# Altium PCB NILINET_POWER_PIR.PcbDoc
Units mm, origin at the board's own origin, x right, y up, seen from the top; angles counter-clockwise.
Board outline 53.5 x 56.02 mm, 2 copper layers (Top Layer, Bottom Layer); 49 components, 35 nets, 155 pads, 174 vias.
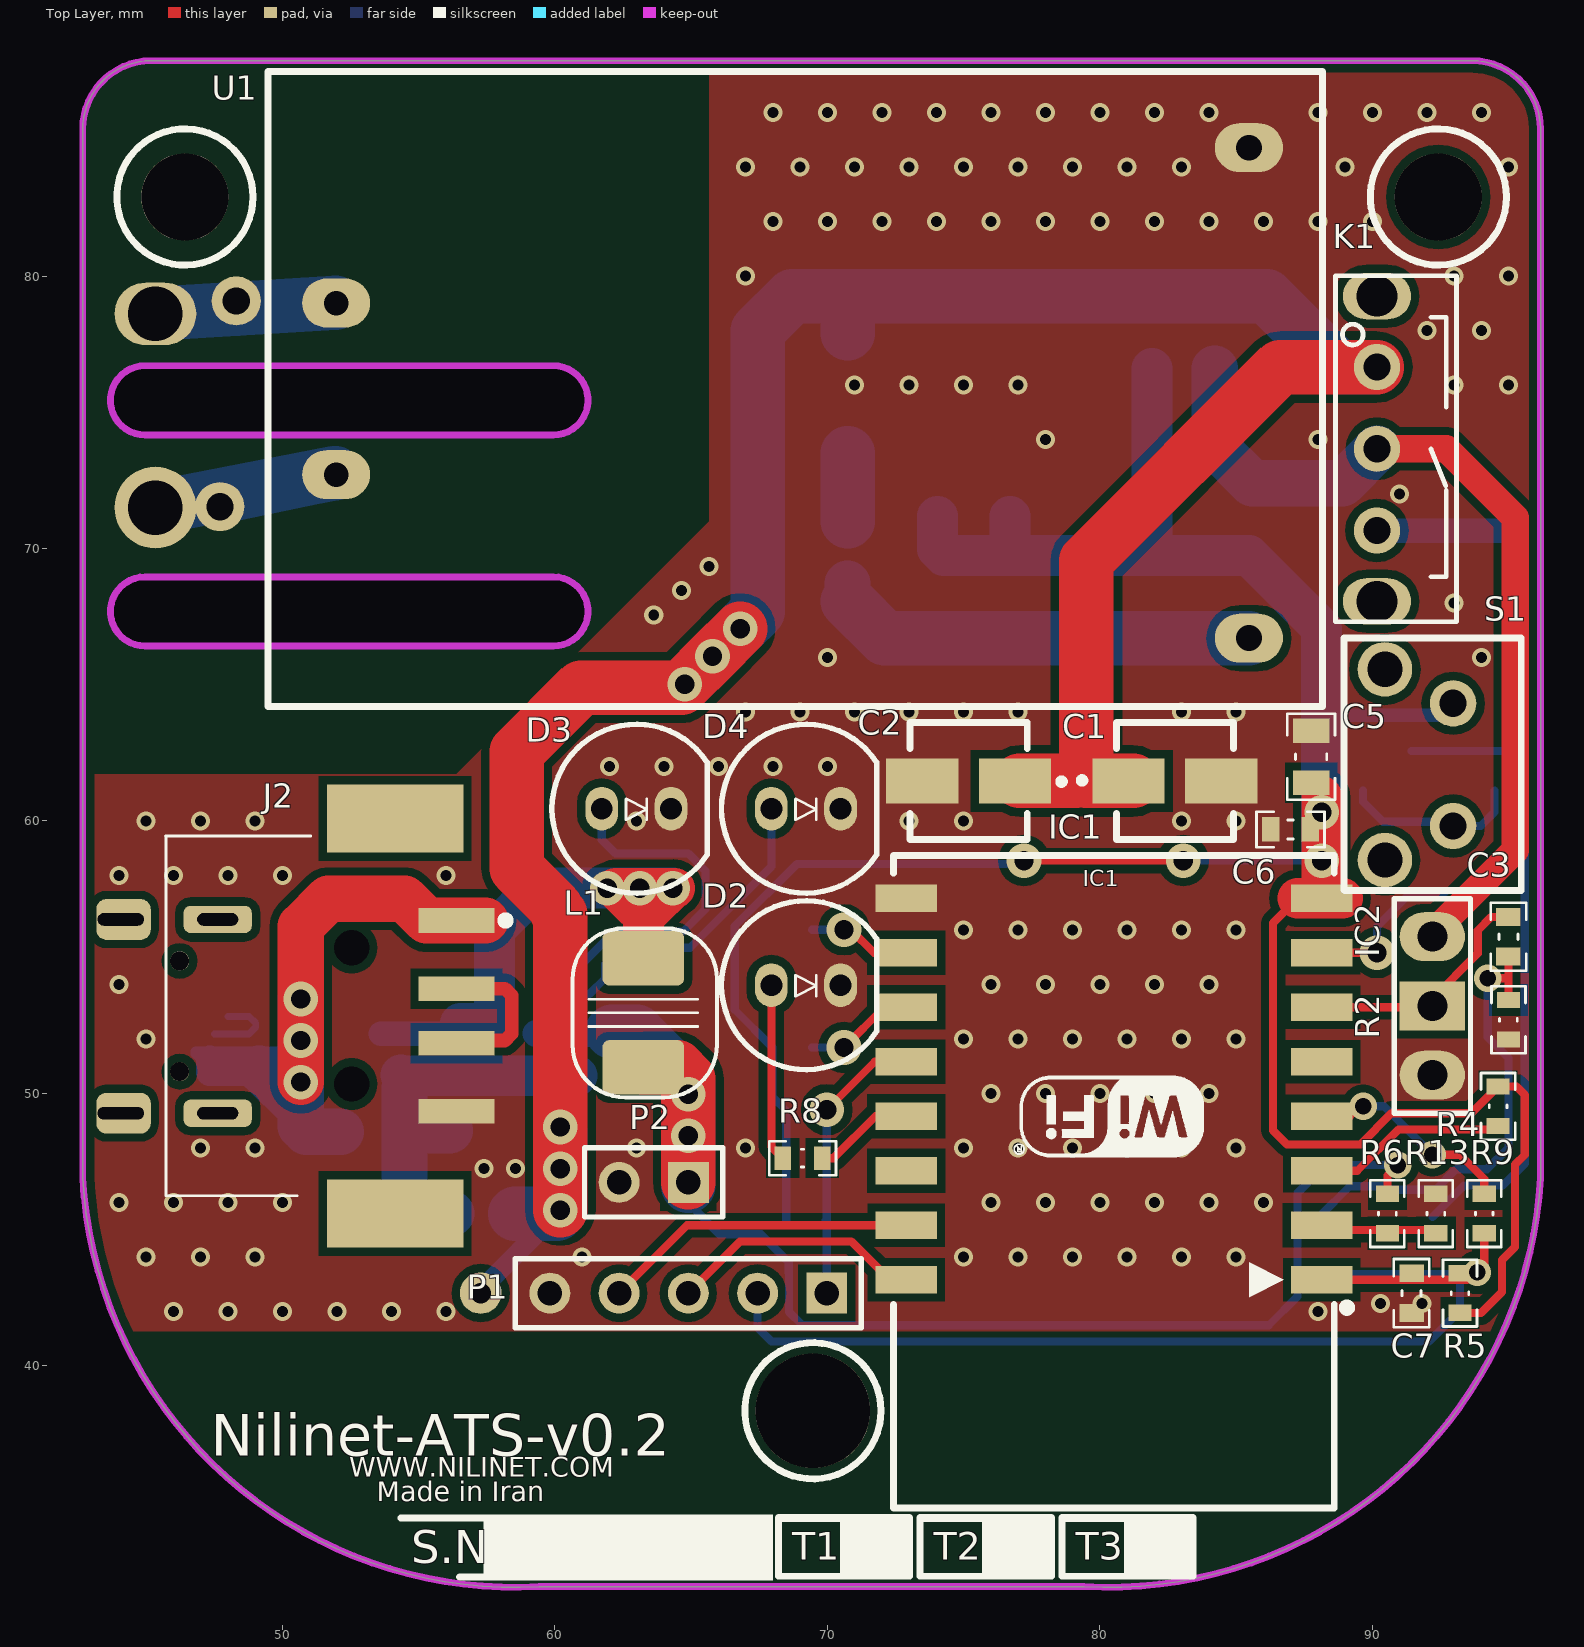
[diagram p0: Top Layer view]
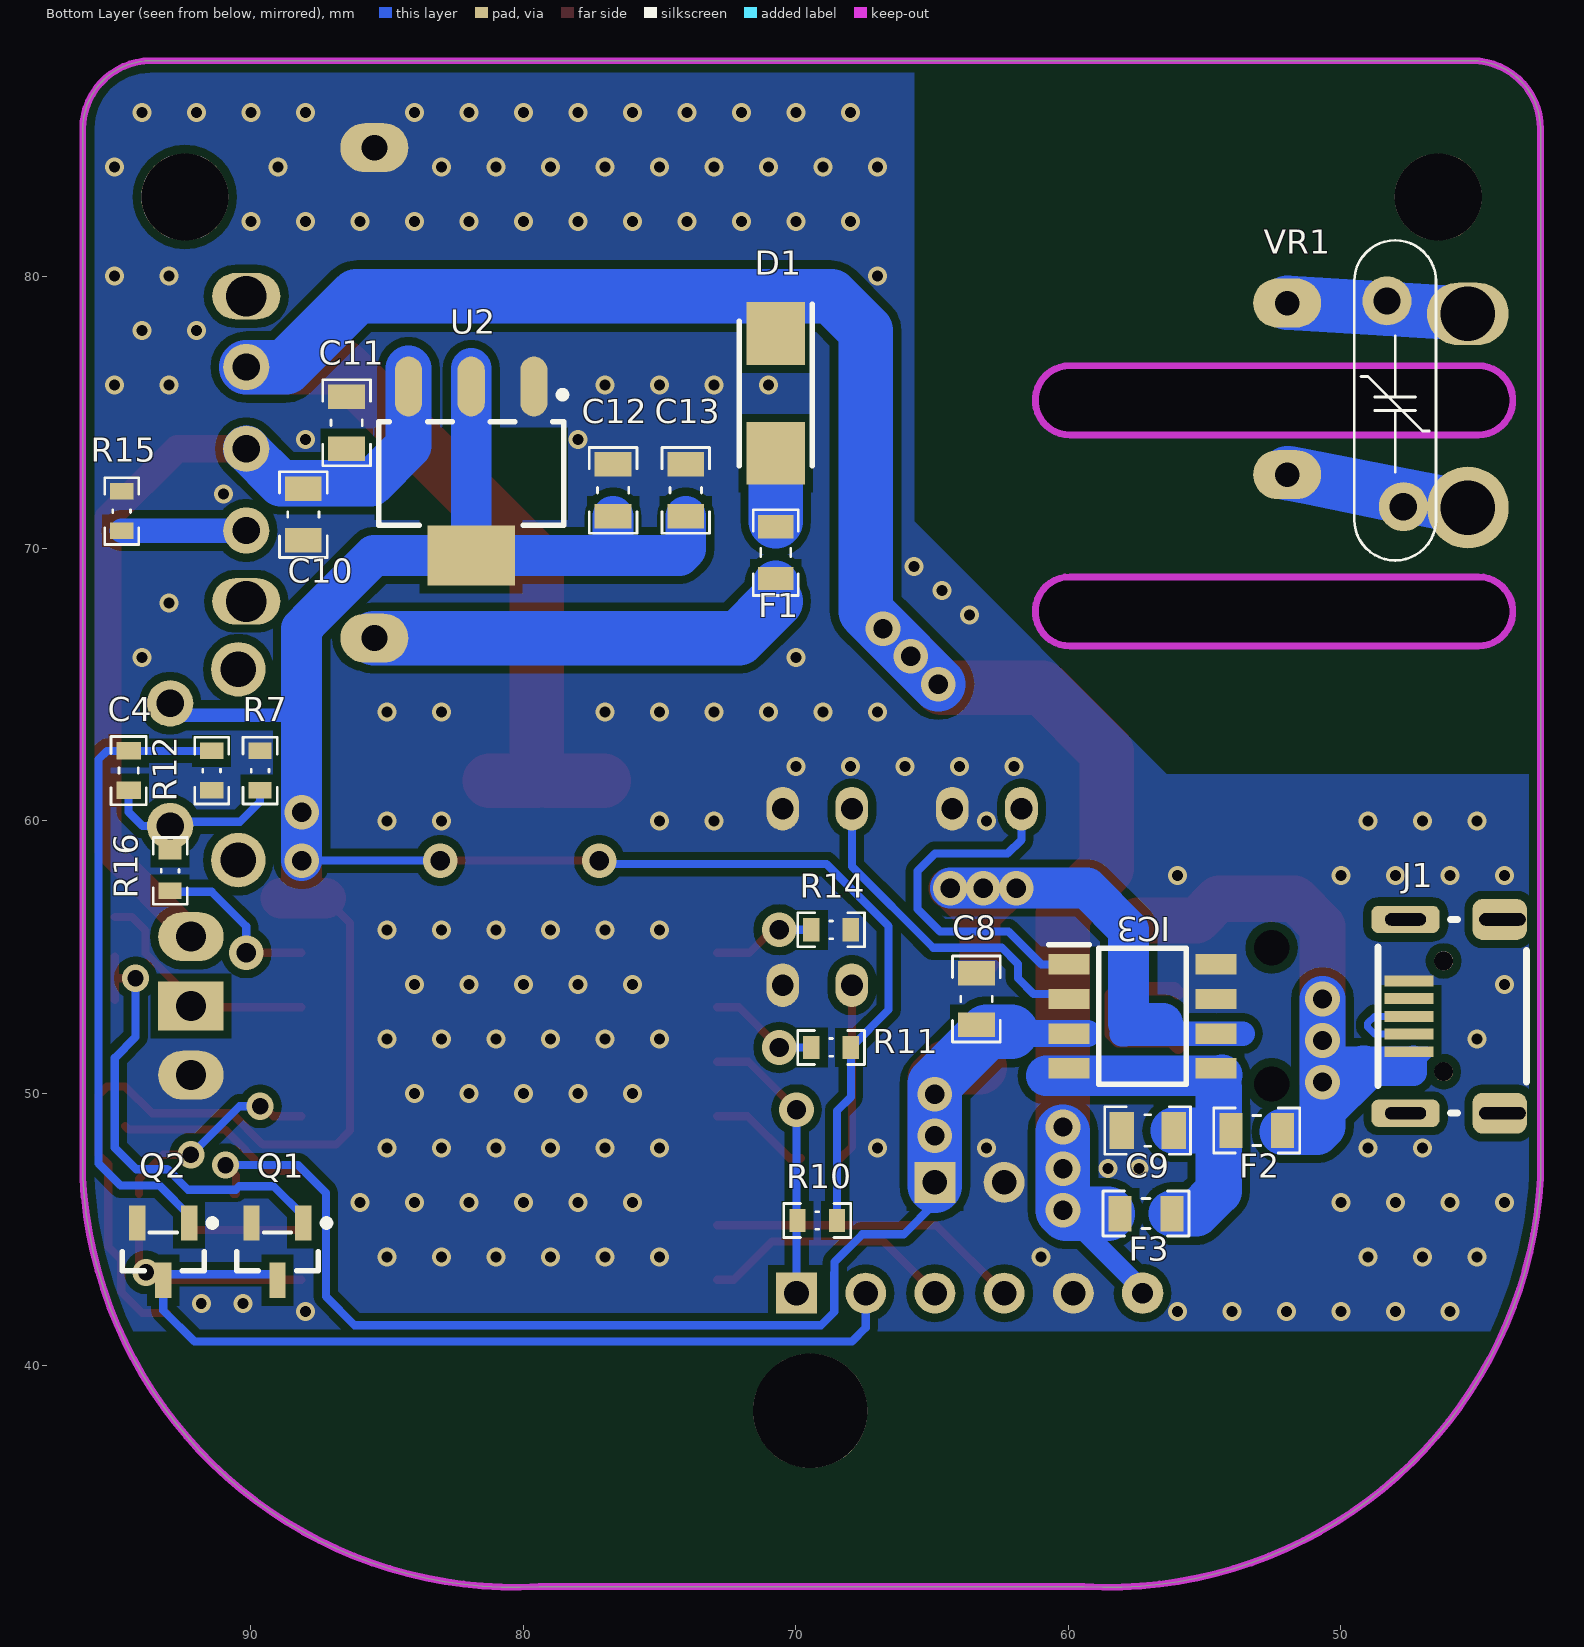
[diagram p1: Bottom Layer view, seen from below]
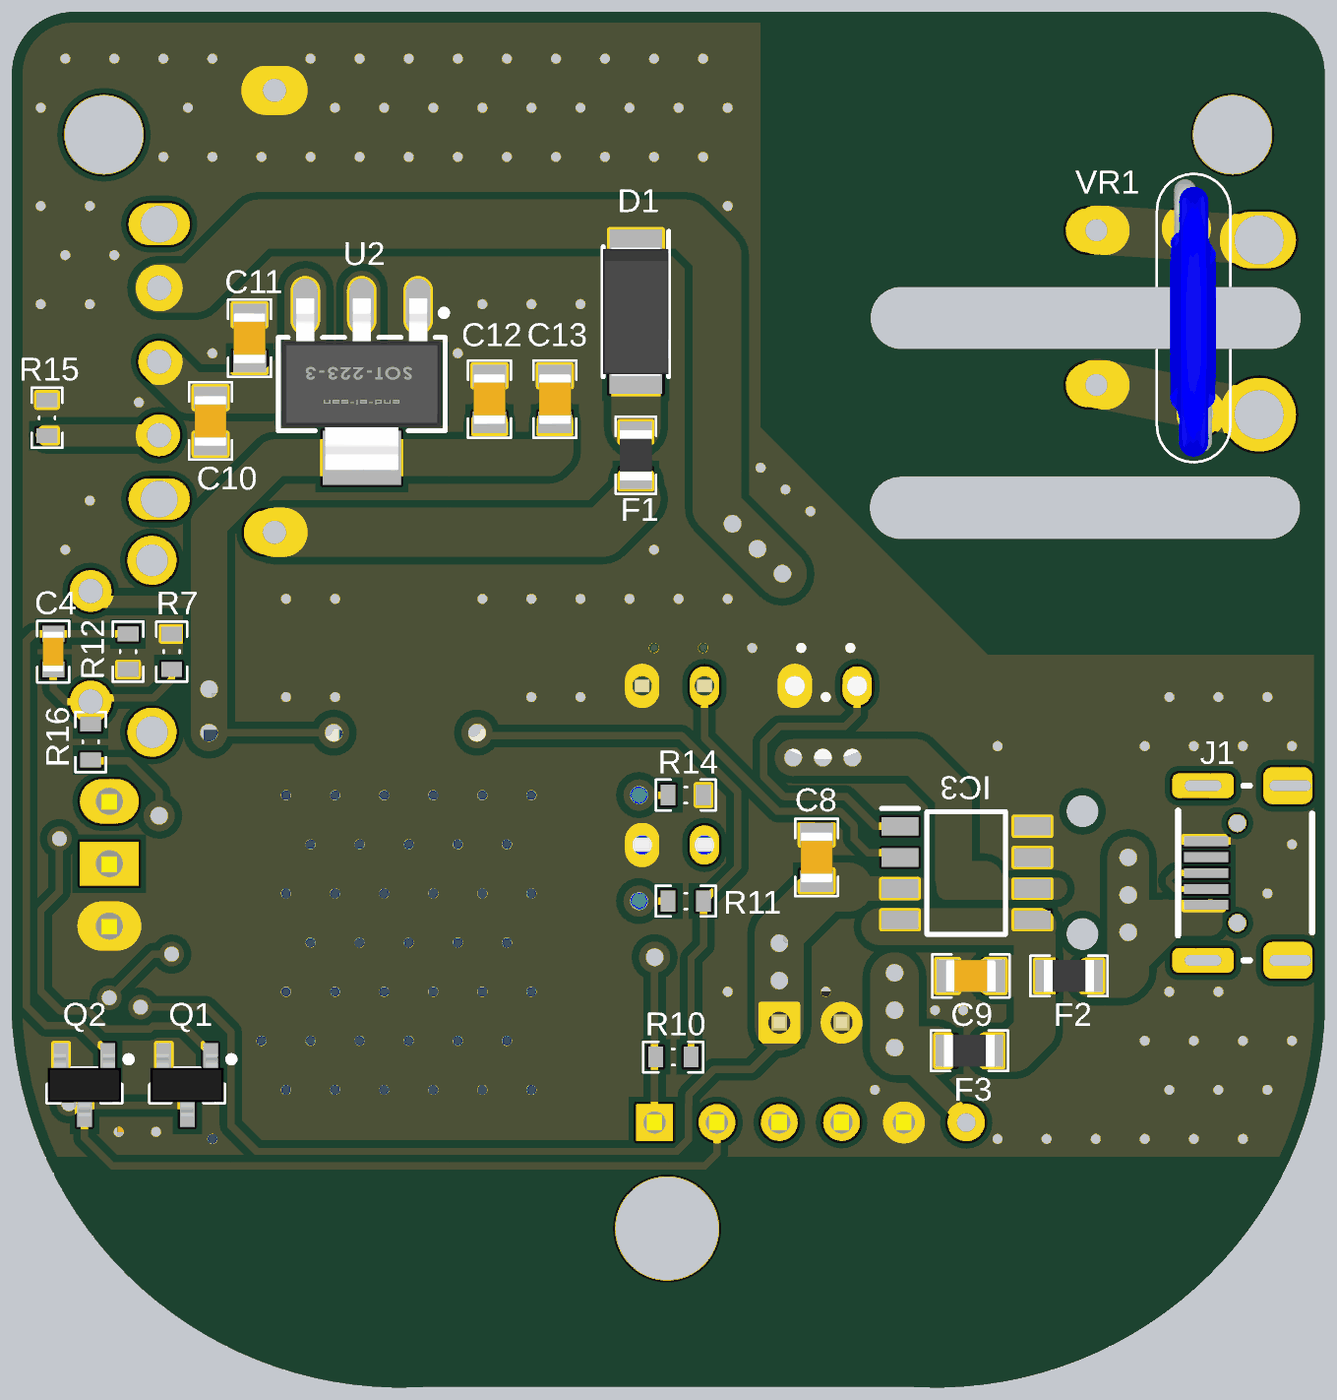
[diagram p2: 3D render of the assembled board from below, using the file's embedded part models]

## Layer stack, top to bottom
Top Solder: solder mask 0.0102, Solder Resist, Dk 3.5
Top Layer: signal copper 0.0356
Dielectric 1: dielectric 0.32, FR-4, Dk 4.8
Bottom Layer: signal copper 0.0356
Bottom Solder: solder mask 0.0102, Solder Resist, Dk 3.5

## Board outline
42.672,46.901 42.672,85.401 cw(c45.172,85.401) 45.172,87.901 93.672,87.901 cw(c93.672,85.401) 96.172,85.401 96.172,46.901 cw(c80.297,47.776) 79.422,31.901 59.422,31.901 cw(c58.547,47.776)
cut-out: 44.945,66.432 cw(c44.939,67.702) 44.945,68.972 59.931,68.972 cw(c59.937,67.702) 59.931,66.432
cut-out: 44.916,74.168 cw(c44.91,75.438) 44.916,76.708 59.902,76.708 cw(c59.908,75.438) 59.902,74.168
cut-out: 44.916,74.168 cw(c44.91,75.438) 44.916,76.708 59.902,76.708 cw(c59.908,75.438) 59.902,74.168
cut-out: 44.945,66.432 cw(c44.939,67.702) 44.945,68.972 59.931,68.972 cw(c59.937,67.702) 59.931,66.432

## Design rules (kind name [scope] priority, off if disabled: settings)
Clearance [All] p1: gap=0.254 ignorepadtopadclearanceinfootprint=FALSE except(0: Arc-Hole Track-Hole SMDPad-Hole THPad-Hole Via-Hole Fill-Hole Poly-Hole Region-Hole Text-Hole; 0.2: Arc-SMDPad Track-SMDPad SMDPad-SMDPad; 0.3: Arc-Arc Arc-Track Arc-Poly Track-Track Track-Poly SMDPad-Poly THPad-Poly Via-Poly Fill-Poly Poly-Poly)
PolygonConnect [All] p1: connectstyle=Direct reliefconductorwidth=0.254 reliefentries=4 polygonreliefangle="90 Angle" airgapwidth=0.254
RoutingVias [All] p1: holewidth=0.711 width=1.27 viastyle="Through Hole" minholewidth=0.711 minwidth=1.27 maxholewidth=0.711 maxwidth=1.27
SolderMaskExpansion [All] p1: expansion=0.102
Width [All] p1: maxlimit=5 minlimit=0.254 preferedwidth=0.3 minimp=50.000000 maximp=50.000000 favimp=50.000000
30 further rules are at their usual default settings.

## Components (designator, comment, footprint, x,y, rotation, side; value= is the part's Value field where it differs from the comment)
C1 "22Uf" UWT(4X5.4) 82.755,61.468 r0 top
C2 "10Uf" UWT(4X5.4) 75.184,61.468 r180 top
C3 "100nF" CAP0603 94.996,55.753 r90 top
C4 "100nF" CAP0603 94.488,61.849 r270 bottom
C5 "22uF" CAP0805 87.757,62.357 r270 top value=100nF
C6 "100nF" CAP0603 86.995,59.69 r0 top
C7 "100nF" CAP0603 91.44,42.672 r90 top
C8 "10uF" CAP0805 63.373,53.467 r270 bottom value=100nF
C9 "22uF" CAP0805 57.089,48.641 r180 bottom value=100nF
C10 "4.7uF" CAP0805 88.077,71.247 r90 bottom value=100nF
C11 "1uF" CAP0805 86.487,74.615 r270 bottom value=100nF
C12 "4.7uF" CAP0805 76.708,72.136 r270 bottom value=100nF
C13 "1uF" CAP0805 74.041,72.136 r270 bottom value=100nF
D1 "1N4007" DIOM5327X242N 70.739,75.692 r270 bottom
D2 "LED 5MM" LED5MM_BLUE 69.215,53.975 r0 top
D3 "LED 5MM" LED5MM_RED 62.992,60.452 r0 top
D4 "LED 5MM" LED5MM_GRN 69.215,60.452 r0 top
F1 "0" RES0805 70.739,69.85 r270 bottom
F2 "0" RES0805 53.086,48.641 r180 bottom
F3 "0" RES0805 57.15,45.593 r180 bottom
IC1 "ESP8266 ESP_12" "ESP8266 ESP_12" 80.518,50.165 r180 top
IC2 "HC-SR501" "jumper selector" 92.202,55.753 r270 top
IC3 "HT4928S" SOIC127P600X180-8N 57.277,52.832 r180 bottom
J1 "USB Connector" MicroUSB111 42.545,49.149 r90 bottom
J2 "USB-A-S-F-B-SM2" USBASFBSM3 50.551,52.859 r0 top locked
K1 "Key" Key 90.17,73.66 r270 top
L1 "4µ7" "Inductor SMD 3x3.2mm" 63.246,52.959 r270 top
P1 "Header 5" HDR1X5 69.977,42.672 r180 top
P2 "Header 2" HDR1X2 64.897,46.736 r180 top
Q1 "BC817" SOT23_N 89.027,44.196 r270 bottom
Q2 "BC817" SOT23_N 93.218,44.196 r270 bottom
R2 "5K" RES0603 94.996,52.705 r90 top
R4 "10K" RES0603 94.615,49.53 r90 top
R5 "10K" RES0603 93.218,42.672 r270 top
R6 "100K" RES0603 90.551,45.593 r90 top
R7 "10K" RES0603 89.662,61.849 r90 bottom
R8 "220" RES0603 69.088,47.625 r180 top
R9 "0" RES0603 94.107,45.593 r270 top
R10 "10K" RES0603 69.215,45.339 r180 bottom
R11 "10K" RES0603 68.707,51.689 r180 bottom
R12 "5K" RES0603 91.44,61.849 r90 bottom
R13 "220K" RES0603 92.329,45.593 r270 top
R14 "10K" RES0603 68.707,56.007 r180 bottom
R15 "10K" RES0603 94.742,71.374 r90 bottom
R16 "10K" RES0603 92.964,58.166 r90 bottom
S1 "Switch PB" SwitchRight 95.464,58.467 r90 top
U1 "HLK-5M05" HLK-5M05 49.471,64.209 r0 top
U2 "3V3" SOT223 81.915,72.746 r270 bottom
VR1 "xxDxxx" "10D XXX" 48.006,75.311 r270 bottom

## Footprints (in the part's own frame and the unit in brackets; to place one, negate y for a bottom-side part, rotate by r counter-clockwise, add the part's x,y. Pads: shape width x height; smd on the part's side, far side on the other; paste and mask are expansions set on the pad)
"10D XXX" [mm] "MOV-10DxxxK Metal Oxide Varistors (MOVs) are 10 mm-Design:Abbas Basereh"
  round 1.8 hole 1: 1(3.775,0.3) 2(-3.775,-0.3)
  silkscreen extent -6,-1.5 5.75,1.5, body extent -5.78,-0.95 5.52,0.9, height 16.5
CAP0603 [mm] "Chip Capacitor, 2-Leads, Body 1/60x0/80mm, IPC Medium Density DESIGNER:ABBAS BASEREH"
  rect 0.65x0.9 smd: 1(-0.725,0) 2(0.725,0)
  silkscreen extent -1.25,-0.65 1.25,0.65, body extent -0.82,-0.43 0.82,0.43, height 0.4
CAP0805 [mm] "Chip Capacitor, 2-Leads, Body 2/00x1/25mm, IPC Medium Density DESIGNER:ABBAS BASEREH"
  rect 0.9x1.35 smd: 1(-0.95,0) 2(0.95,0)
  silkscreen extent -1.58,-0.87 1.58,0.87, body extent -1.02,-0.65 1.02,0.65, height 0.5
DIOM5327X242N [mm]
  rect 2.3x2.15 smd: 1(-2.2,0) 2(2.2,0)
  silkscreen extent -3.27,-1.34 2.65,1.34, body extent -2.65,-1.34 2.65,1.34, height 2.42
"ESP8266 ESP_12" [mm] "ESP8266 ESP-12"
  rect 2.25x1 smd: 1(-7.625,7) 2(-7.625,5) 3(-7.625,3) 4(-7.625,1) 5(-7.625,-1) 6(-7.625,-3) 7(-7.625,-5) 8(-7.625,-7) 9(7.625,-7) 10(7.625,-5) 11(7.625,-3) 12(7.625,-1) 13(7.625,1) 14(7.625,3) 15(7.625,5) 16(7.625,7)
  silkscreen extent -8.7,-8.57 8.08,15.37, body extent -7.86,-8.52 8.16,15.51, height 3.82
HDR1X2 [mm] "Connector; Header; 2 Position"
  rect 1.5x1.5 hole 0.9: 1(0,0)
  round 1.5 hole 0.9: 2(2.54,0)
  silkscreen extent -1.27,-1.27 3.81,1.27, body extent -1.27,-1.28 3.81,1.26, height 8.79
HDR1X5 [mm] "Connector; Header; 5 Position"
  rect 1.5x1.5 hole 0.9: 1(0,0)
  round 1.5 hole 0.9: 2(2.54,0) 3(5.08,0) 4(7.62,0) 5(10.16,0)
  silkscreen extent -1.27,-1.27 11.43,1.27, body extent -1.28,-1.27 11.42,1.27, height 8.38
HLK-5M05 [mm]
  oval 2.5x1.8 hole 0.9: 1(2.5,14.8) 2(2.5,8.5)
  oval 2.5x1.8 hole 0.95: 3(36,20.5) 4(36,2.5)
  silkscreen extent 0,0 38.7,23.3
"Inductor SMD 3x3.2mm" [mm] "Inductor 4.7µH SMD 3x3.2mm"
  round 0.508 on Mech15: 0(0,0)
  rrect25% 2x3 smd: 1(-2,0) 2(2,0)
  silkscreen extent -3.1,-2.6 3.1,2.7, body extent -2.9,-2.6 2.89,2.6, height 4.5
"jumper selector" [mm]
  oval 1.8x2.4 hole 1.1: 1(0,0) 3(5.08,0)
  rect 1.8x2.4 hole 1.1: 2(2.54,0)
  silkscreen extent -1.4,-1.4 6.48,1.4, body extent -1.24,-1.27 6.38,1.27, height 10.16
Key [mm]
  oval 1.7x2.5 hole 1.5: 0(-5.6,0) 0(5.6,0)
  round 1.7 hole 1: 1(-3,0) 2(0,0) 3(3,0)
  silkscreen extent -6.35,-1.52 6.35,2.92
LED5MM_BLUE [mm] "LED 5MM THROUGH HOLE BLUE-Designer Abbas Basereh"
  oval 1.2x1.6 hole 0.8: 1(-1.27,0) 2(1.27,0)
  silkscreen extent -3.1,-3.1 2.6,3.1, body extent -2.99,-2.98 2.43,3.04, height 12.31
LED5MM_GRN [mm] "LED 5MM THROUGH HOLE GREEN-Designer Abbas Basereh"
  oval 1.2x1.6 hole 0.8: 1(-1.27,0) 2(1.27,0)
  silkscreen extent -3.1,-3.1 2.6,3.1, body extent -3,-3 2.5,3, height 9.14
LED5MM_RED [mm] "LED 5MM THROUGH HOLE RED-Designer Abbas Basereh"
  oval 1.2x1.6 hole 0.8: 1(-1.27,0) 2(1.27,0)
  silkscreen extent -3.1,-3.1 2.6,3.1, body extent -2.97,-3 2.45,3.02, height 12.31
MicroUSB111 [mm]
  rect 0.4x1.8 smd: 1(2.383,4.953) 2(3.033,4.953) 3(3.683,4.953) 4(4.333,4.953) 5(4.983,4.953)
  rrect50% 1.5x2 hole 1.7 slot 0.45 at 0 deg copper offset 0,0.1: 5(0.127,1.524) 5(7.239,1.524)
  rrect50% 1x2.5 hole 1.5 slot 0.45 at 0 deg: 5(0.127,5.08) 5(7.239,5.08)
  round 0.7 hole 0.7: 6(1.651,3.683) 6(5.715,3.683)
  silkscreen extent 0.13,0.63 7.24,6.1
RES0603 [mm] "Chip Resistor, 2-Leads, Body 1/60x0/80mm, IPC Medium Density DESIGNER:ABBAS BASEREH"
  rect 0.6x0.85 smd: 1(-0.725,0) 2(0.725,0)
  silkscreen extent -1.22,-0.63 1.22,0.63
RES0805 [mm] "Chip Resistor, 2-Leads, Body 2/00x1/25mm, IPC Medium Density DESIGNER:ABBAS BASEREH"
  rect 0.85x1.3 smd: 1(-0.95,0) 2(0.95,0)
  silkscreen extent -1.58,-0.82 1.58,0.82, body extent -1.02,-0.65 1.03,0.65, height 0.5
SOIC127P600X180-8N [mm]
  rect 1.5x0.75 smd: 1(-2.7,1.905) 2(-2.7,0.635) 3(-2.7,-0.635) 4(-2.7,-1.905) 5(2.7,-1.905) 6(2.7,-0.635) 7(2.7,0.635) 8(2.7,1.905)
  silkscreen extent -3.45,-2.5 1.6,2.63
SOT23_N [mm] "SOT23, 3-Leads, Body 2.9x1.3mm, Pitch 0.95mm, Lead Span 2.3mm, IPC Medium Density"
  rect 1.3x0.6 smd: 1(-1.05,0.95) 2(-1.05,-0.95) 3(1.05,0)
  silkscreen extent -1.17,-1.5 0.7,1.92, body extent -1.27,-1.5 1.27,1.5, height 1.1
SOT223 [mm] "SOT223, 4-Leads, Body 6.5x3.5mm, Pitch 2.30mm-Designer Abbas Basereh"
  oval 2.2x1 smd: 1(-3.2,2.3) 2(-3.2,0) 3(-3.2,-2.3)
  rect 2.2x3.2 smd: 4(3,0)
  Top Layer pour cut-out: -1.7,3.556 1.7,3.556 1.7,-3.556 -1.7,-3.556
  silkscreen extent -3.02,-3.4 1.9,3.47, body extent -3.5,-3.25 3.5,3.25, height 1.7
SwitchRight [mm]
  round 2 hole 1.3: 0(0.1,5) 0(7.1,5)
  round 1.7 hole 1: 1(1.35,2.5) 2(5.85,2.5)
  silkscreen extent -1.02,0 8.25,6.5
USBASFBSM3 [mm]
  rect 2.8x0.9 smd: 1(5.837,3.489) 2(5.837,0.989) 3(5.837,-1.011) 4(5.837,-3.511)
  round 0.65 hole 1.3 unplated: MH1(1.987,2.489) MH2(1.987,-2.511)
  rect 5x2.5 smd: MP1(3.587,7.239) MP2(3.587,-7.261)
  silkscreen extent -4.84,-6.61 7.79,6.59
UWT(4X5.4) [mm]
  rect 2.65x1.65 smd: 1(-1.7,0) 2(1.7,0)
  silkscreen extent -3.51,-2.15 2.15,2.15

## Part data
C1 C2: library part UWT1C100MCL1GB, "Capacitor Polarised", Manufacturer_Name=Nichicon, Mouser Part Number=647-UWT1C100MCL1B, RS Part Number=5201854P, Allied_Number=70409828, Allied Price/Stock=https://www.alliedelec.com/nichicon-uwt1c100mcl1gb/70409828/, Datasheet Link=http://www.nichicon.co.jp/english/products/pdfs/e-uwt.pdf, Manufacturer_Part_Number=UWT1C100MCL1GB, Mouser Price/Stock=https://www.mouser.co.uk/ProductDetail/Nichicon/UWT1C100MCL1GB?qs=VVKQmw408U%252BpNF7TgczwPw%3D%3D, RS Price/Stock=http://uk.rs-online.com/web/p/products/5201854P
C3 C4 C5 C6 C7 C8 C9 C10 C11 C12 C13: library part "CAP SMD PACKAGE", "TOTAL CAPACITOR SMD PACK", Data=2017-3-10, Desc.="CAP SMD TOTAL PACKAGES", Designer="Abbas Basereh"
D1: "Diode", Manufacturer_Name=Shikues, Datasheet Link=https://datasheet.lcsc.com/szlcsc/SK-1N4007_C126233.pdf, Height=2.42mm, Manufacturer_Part_Number=1N4007
D2 D3 D4: "Light Emitting Diode", Data=16-12-2016, Designer="Abbas Basereh"
F1 F2 F3 R2 R4 R5 R6 R7 R8 R9 R10 R11 R12 R13 R14 R15 R16: library part "RES SMD PACKAGE", "TOTAL SMD RESISTOR PACK", Data=2017-3-10, Desc.="RES SMD PAKAGES", Designer="Abbas Basereh"
IC1: "ESP8266 ESP-12", IC=ESP8266-EX, LatestReviewer="Zion Blue", LatestRevisionData=14-Apr-2015, LatestRevisionNote="Include 3D body and Footprint", Published=14-Apr-2015, Publisher="Cynetik Group", Vendor=Ai-thinker
IC3: "Integrated Circuit", Manufacturer_Name=HOTCHIP, Datasheet Link=http://www.hotchip.com.cn/Uploads/goods/2017-11-03/59fc3d69cabf0.pdf, Height=1.8mm, Manufacturer_Part_Number=HT4928S
J1: library part "USB MICRO", "USB Connector MICRO-B Type", Max Current=1600mA, Category=Connector, ComponentLink1Description=Datasheet, ComponentLink2Description=Reference, Designer="ABBAS BASEREH", Mounting Technology="Surface Mount\Through-Hole", Pin Count=5-7, Publisher="ABBAS BASEREH", Status=Unreleased, Update=1395-11-17
J2: "Connector", Manufacturer_Name=SAMTEC, Mouser Part Number=200-USBASFBSM2, RS Part Number=1803451, Datasheet Link=https://www.arrow.com/en/products/usb-a-s-f-b-sm2/samtec, Height=7.03mm, Manufacturer_Part_Number=USB-A-S-F-B-SM2, Mouser Price/Stock=https://www.mouser.com/Search/Refine.aspx?Keyword=200-USBASFBSM2, RS Price/Stock=http://uk.rs-online.com/web/p/products/1803451
L1: library part "Inductor 4.7µH SMD 3x3.2mm", "Inductor 4.7µH SMD 3x3.2mm", Operating Temperature="-40°C ~ 125°C", Tolerance=±20%, Package / Case="Inductor 4.7µH SMD 3x3.2mm", SCDType=source, Supplier 1=Digi-Key, Type="Ferrite Core"
P1: "Header, 5-Pin", LatestRevisionDate=17-Jul-2002, LatestRevisionNote="Re-released for DXP Platform.", Publisher="Altium Limited"
P2: "Header, 2-Pin", LatestRevisionDate=17-Jul-2002, LatestRevisionNote="Re-released for DXP Platform.", Publisher="Altium Limited"
Q1 Q2: "45 V, 500 mA NPN general-purpose transistors", ComponentLink1Description="Manufacturer Link", ComponentLink1URL=http://www.nxp.com/, ComponentLink2Description=Datasheet, ComponentLink2URL=http://www.nxp.com/, DatasheetVersion=2017, LatestRevisionDate=2017, LatestRevisionNote="IPC-7351 Footprint Added.", PackageDescription="3-Pin SOT-23 Package 0.95 mm Pitch, 2.3 mm Lead Span", PackageReference=SOT23, PackageVersion=2017-2-8, Published=2017-2-8, Publisher="Abbas Basereh"
S1: "Push Button Switch"
U1: library part HLK-PM01
U2: library part AMS1117-x.x, "x.x Volt, 800mA Low-Dropout Linear Regulator, 4-pin SOT-223", Data=16-12-2016, Designer="Ali Hafizi"
VR1: library part "VARISTOR (VDR)", "VARISTORS", Manufacturer=china-canada-philipina, Data=2017-1-5, Designer="Abbas Basereh", Link=digikey.com, Models=MOV-VDR-COV, Publisher="ABBAS BASEREH"

## Free pads (board coordinates)
  round 4.2 hole 4.2: 1(69.469,38.354)
  round 3.2 hole 3.2: 2(92.422,82.901) 3(46.422,82.901)
  round 3 hole 2: 4(45.339,71.501)
  oval 3x2.3 hole 2: 4(45.339,78.613)
  round 1.524 hole 0.762: 6(57.277,42.672)

## Via types
v1: diameter 0.7, hole 0.4, Top Layer to Bottom Layer, tented both sides, 147 vias
v2: diameter 1.27, hole 0.711, Top Layer to Bottom Layer, tented both sides, 22 vias
v3: diameter 1, hole 0.6, Top Layer to Bottom Layer, tented both sides, 5 vias

## Nets (pads, with @x,y where several pads share a name; then routed paths per layer and width w, separated by ;. In a path a pad name is that pad's centre, name@x,y a point inside that pad or via, vN(x,y) a via of type N, cw(c..) or ccw(c..) an arc to the next point about the centre after c; other vN are vias at no path point)
+3.3V: C5.2 C6.2 C12.2 C13.2 IC1.8 R4.2 R5.2 R10.2 R11.2 S1.2 U2.2 U2.4 | length 106.5
  Top Layer w0.3: v2(77.216,58.547) v2@82.423,58.547 ; IC1.8 87.264,57.165 86.36,56.261 86.36,48.641 86.868,48.133 89.567,48.133 90.71,49.276 93.636,49.276 R4.2 95.287,50.255 95.595,49.947 95.595,47.752 95.234,47.391 95.234,44.367 94.758,43.891 94.758,42.716 93.989,41.947 R5.2 R5.2@93.091,41.947
  Top Layer w1.5: IC1.8@87.264,57.165 IC1.8 ; v2@88.143,60.894 IC1.8 ; IC1.8@88.9,57.165 IC1.8
  Bottom Layer w0.3: R10.2 68.49,49.366 67.982,49.874 R11.2 66.6,53.071 66.6,56.139 68.88,58.42 77.089,58.42 v2(77.216,58.547) ; v2(83.058,58.547) v2(88.138,58.547)
  Bottom Layer w0.5: 88.138,62.484 88.228,62.574 ; 88.138,63.881 92.528,63.881 S1.2
  Bottom Layer w1.5: C13.2 74.041,69.977 74.272,69.746 76.835,69.746 ; C12.2 76.708,69.873 76.835,69.746 ; U2.4@81.915,70.406 U2.2 U2.2@81.915,76.606 ; v2(88.138,58.547) 88.138,62.484 88.138,63.881 88.138,67.07 87.916,67.292 87.916,67.307 85.477,69.746 U2.4 76.835,69.746
  other v2: 88.138,60.325
+5V: C10.2 C11.2 IC2.1 K1.2 U2.3 | length 32.8
  Top Layer w1: K1.2 92.71,73.66 95.245,71.125 95.245,58.923 92.202,55.88 IC2.1 IC2.1@92.202,55.626
  Bottom Layer w1.7: U2.3@84.215,76.606 U2.3 84.215,73.773 85.598,72.39 88.9,72.39 K1.2
A0: C8.2 IC3.3 L1.2 P2.1 R6.2 | length 51
  Top Layer w0.3: R6.2@90.643,46.318 R6.2 90.551,46.99 v3(90.932,47.371)
  Top Layer w2: L1.2 64.484,50.959 64.897,50.546 v2(64.897,49.974) v2(64.897,48.45) P2.1
  Bottom Layer w0.3: P2.1@64.897,46.609 64.897,45.974 66.04,44.831 67.564,44.831 68.58,43.815 68.58,43.434 68.591,43.423 68.591,41.987 69.084,41.494 86.198,41.494 87.249,42.545 87.249,46.355 88.265,47.371 v3(90.932,47.371)
  Bottom Layer w1: IC3.3@59.309,52.201 62.102,52.201
  Bottom Layer w2: 62.102,52.259 C8.2@62.996,52.259 ; 63.246,52.009 64.897,50.358 P2.1@64.897,46.609
AC+_Net: pad.4@45.339,78.613 U1.1 VR1.2 | length 6.6
  Bottom Layer w2: pad.4@45.339,78.613 48.324,78.8 U1.1@51.946,79.026
AC-_Net: pad.4@45.339,71.501 U1.2 VR1.1 | length 10.9
  Bottom Layer w2: pad.4@45.339,71.501 51.943,72.771 VR1.1@47.897,71.937
ADC: IC1.2 R6.1 R13.2 | length 4.3
  Top Layer w0.3: IC1.2 88.313,44.995 90.551,44.995 R13.2@92.329,44.995
EN: IC1.3 R4.1 | length 7.2
  Top Layer w0.3: IC1.3 89.448,47.165 90.959,48.676 94.486,48.676 R4.1
GND: C1.2 C2.2 C5.1 C6.1 C7.1 C8.1 C9.1 C10.1 C11.1 C12.1 C13.1 D2.2 D3.2 D4.2 IC1.9 IC2.3 IC3.7 IC3.8 J1.5@47.498,54.132 J2.4 P1.5 P2.2 Q1.2 Q2.2 R2.1 R7.2 R12.1 R13.1 R14.2 R15.2 U1.3 U2.1
  other v1: 46,42 48,42 50,42 52,42 54,42 56,42 88,42 90.297,42.291 91.821,42.291 45,44 47,44 49,44 61,44 75,44 77,44 79,44 81,44 83,44 85,44 44,46 46,46 48,46 50,46 76,46 78,46 80,46 82,46 84,46 86,46 57.404,47.244 58.547,47.244 47,48 49,48 63,48 67,48 75,48 77,48 79,48 81,48 83,48 85,48 76,50 78,50 80,50 82,50 84,50 45,52 75,52 77,52 79,52 81,52 83,52 85,52 44,54 76,54 78,54 80,54 82,54 84,54 75,56 77,56 79,56 81,56 83,56 85,56 44,58 46,58 48,58 50,58 56,58 45,60 47,60 49,60 63,60 73,60 75,60 83,60 85,60 62,62 64,62 66,62 68,62 70,62 67,64 69,64 71,64 73,64 75,64 77,64 83,64 85,64 70,66 94,66 63.627,67.564 93,68 64.643,68.453 65.659,69.342 91,72 78,74 88,74 71,76 73,76 75,76 77,76 93,76 95,76 92,78 94,78 67,80 93,80 95,80 68,82 70,82 72,82 74,82 76,82 78,82 80,82 82,82 84,82 86,82 88,82 90,82 67,84 69,84 71,84 73,84 75,84 77,84 79,84 81,84 83,84 89,84 95,84 68,86 70,86 72,86 74,86 76,86 78,86 80,86 82,86 84,86 88,86 90,86 92,86 94,86
GPIO0: IC1.12 P1.1 R10.1 | length 10.1
  Top Layer w0.3: v2(69.977,49.403) 71.739,51.165 IC1.12
  Bottom Layer w0.3: R10.1 69.977,45.302 P1.1@69.977,42.926 ; R10.1@69.977,45.339 v2(69.977,49.403)
GPIO2: IC1.11 R11.1 | length 4.2
  Top Layer w0.3: v2(70.612,51.689) 72.088,53.165 IC1.11
  Bottom Layer w0.3: R11.1 v2(70.612,51.689) ; v2@70.612,51.816 v2@70.739,51.816
GPIO4: IC1.13 R8.1 | length 3.7
  Top Layer w0.3: R8.1 70.231,47.625 71.771,49.165 IC1.13
GPIO5: IC1.14
GPIO12: C3.2 IC1.6 IC2.2 | length 8.9
  Top Layer w0.3: IC1.6 92.154,53.165 IC2.2 92.202,53.475 93.86,55.133 93.868,55.133 93.868,55.985 94.361,56.478 C3.2
GPIO13: C4.2 R7.1 R16.2 S1.1 | length 6.7
  Bottom Layer w0.3: R7.1 89.662,60.706 90.397,59.971 92.964,59.971 S1.1 93.98,59.817 94.488,60.325 C4.2
GPIO14: IC1.5
GPIO15: IC1.10 R14.1 | length 4.2
  Top Layer w0.3: v2(70.612,56.007) 70.866,56.007 71.708,55.165 IC1.10
  Bottom Layer w0.3: R14.1 v2(70.612,56.007) 70.866,56.007 v2@70.993,55.88
GPIO16: IC1.4 R9.1 | length 7.8
  Top Layer w0.3: IC1.4 89.17,49.165 89.535,49.53 v3(89.662,49.53) ; v3(92.202,47.752) 93.218,47.752 94.107,46.863 R9.1
  Bottom Layer w0.3: v3(89.662,49.53) 90.424,49.53 v3(92.202,47.752)
HLKV: C1.1 C2.1 D1.1 F3.1 K1.1 pad.6 | length 101.8
  Top Layer w2: v2(60.198,45.72) v2(60.198,47.244) v2(60.198,48.768) 60.198,56.581 60.03,56.749 60.03,56.825 58.598,58.257 58.598,62.535 60.96,64.897 64.643,64.897 v2(64.77,65.024) v2(65.786,66.04) v2(66.802,67.056) ; C2.1@77.06,61.468 79.121,61.468 79.502,61.849 79.502,69.548 86.614,76.66 K1.1 ; 79.502,61.468 C1.1@81.231,61.468
  Bottom Layer w0.7: pad.6 57.277,42.799 60.071,45.593 v2(60.198,45.72)
  Bottom Layer w2: 58.547,45.593 60.071,45.593 v2(60.198,45.72) v2(60.198,47.244) v2@60.198,48.601 ; v2(64.77,65.024) v2(66.802,67.056) 67.437,67.691 67.437,77.99 68.707,79.26 70.739,79.26 ; D1.1 70.739,79.26 ; K1.1 88.725,76.66 86.125,79.26 70.739,79.26
NetC3_1: C3.1 Q1.1 R2.2 | length 17
  Top Layer w0.3: v3(94.234,54.229) 94.996,54.229 ; R2.2 94.996,54.229 ; C3.1 94.996,54.229
  Bottom Layer w0.3: Q1.1@88.077,45.5 89.171,46.594 90.431,46.594 90.558,46.467 92.314,46.467 93.068,47.221 94.211,47.221 94.995,48.005 94.995,51.308 94.234,52.069 v3(94.234,54.229)
NetC4_1: C4.1 Q2.1 R12.2 | length 23.3
  Bottom Layer w0.3: R12.2 C4.1 95.287,62.574 95.595,62.266 95.595,47.43 94.786,46.621 93.362,46.621 Q2.1@92.207,45.466
NetD1_2: D1.2 F1.1 | length 2.5
  Bottom Layer w2: F1.1@70.739,70.993 D1.2
NetD2_1: D2.1 R8.2 | length 6.5
  Top Layer w0.3: D2.1 67.945,48.043 R8.2
NetD3_1: D3.1 IC3.1 | length 13.2
  Bottom Layer w0.3: IC3.1 60.983,54.737 62.194,55.948 64.711,55.948 65.532,56.769 65.532,58.166 64.897,58.801 62.23,58.801 61.722,59.309 D3.1
NetD4_1: D4.1 IC3.2 | length 12.4
  Bottom Layer w0.3: IC3.2 60.165,53.655 61.275,53.655 61.849,54.229 61.849,54.755 62.442,55.348 64.96,55.348 67.945,58.333 D4.1
NetF1_2: F1.2 U1.4 | length 15.9
  Bottom Layer w1.7: 70.739,68.072 F1.2@70.739,68.707
  Bottom Layer w2: 70.739,68.072 72.102,66.709 U1.4
NetIC1_7: IC1.7 R16.1 | length 6
  Top Layer w0.3: IC1.7 v2(90.17,55.165)
  Bottom Layer w0.3: v2(90.17,55.165) 90.17,56.134 91.44,57.404 R16.1@92.673,57.404
NetIC3_6: IC3.6 L1.1 | length 24.4
  Top Layer w1.5: v2@62.223,57.531 62.985,56.769 63.246,56.769 ; v2@62.23,57.531 63.246,57.531 v2@64.389,57.531 ; L1.1 63.246,56.769 ; v2(64.332,57.531) 63.57,56.769 63.246,56.769
  Bottom Layer w0.9: 53.609,52.197 IC3.6 56.536,52.189 57.785,52.183 57.911,52.183 58.039,52.182
  Bottom Layer w1.5: 56.538,52.576 57.787,52.576 57.787,56.007 59.316,57.536 v2@62.479,57.536 ; 61.087,57.536 v2@62.479,57.536 ; v2(64.332,57.531) 64.327,57.536 v2@62.479,57.536
  other v2: 61.919,57.531 63.119,57.531
NetJ1_2: J1.2 J1.3 | length 2.9
  Bottom Layer w0.254: J1.2 48.768,52.182 49.022,52.436 49.022,52.578 48.768,52.832 J1.3@48.006,52.832
NetJ2_2: J2.2 J2.3 | length 6.7
  Top Layer w0.5: J2.3@55.971,51.694 56.22,51.943 58.166,51.943 58.42,52.197 58.42,53.594 58.166,53.848 J2.2 56.125,53.848 J2.2@55.971,53.694
NetK1_3: K1.3 R15.1 | length 4.6
  Bottom Layer w0.9: K1.3 R15.1@94.742,70.66
RST: C7.2 IC1.1 P1.2 Q1.3 Q2.3 R5.1 R9.2 | length 41.5
  Top Layer w0.3: IC1.1 R5.1@93.472,43.165 ; R5.1 93.816,43.397 v3(93.853,43.434) 94.107,43.688 R9.2 R9.2@94.107,44.995
  Bottom Layer w0.3: P1.2 67.437,41.402 67.945,40.894 68.835,40.894 92.075,40.894 93.218,42.037 Q2.3 ; Q1.3@89.027,43.4 89.061,43.366 Q2.3@93.157,43.366 ; Q2.3@93.157,43.146 Q2.3@93.157,43.366 ; v3@93.782,43.366 Q2.3@93.157,43.366
RX: IC1.15 P1.4 | length 11.6
  Top Layer w0.3: P1.4 64.85,45.165 IC1.15
TX: IC1.16 P1.3 | length 9.4
  Top Layer w0.3: P1.3 66.79,44.565 70.878,44.565 72.278,43.165 IC1.16
VUSB: F2.2 J1.1 J2.1 | length 32.1
  Top Layer w1.7: v2(50.673,50.419) v2(50.673,51.943) v2(50.673,53.467) 50.673,56.134 51.689,57.15 54.483,57.15 55.285,56.348 J2.1 J2.1@57.444,56.348
  Bottom Layer w0.254: J1.1@46.833,51.532 46.745,51.444 46.932,51.257
  Bottom Layer w0.4: J1.1@46.833,51.532 J1.1 v2@50.643,51.532
  Bottom Layer w0.5: 47.371,51.308 48.768,51.308 49.276,50.8
  Bottom Layer w1: 47.332,51.257 47.332,50.78 48.791,50.78
  Bottom Layer w1.7: 49.143,50.905 49.171,50.905 50.673,49.403 50.673,48.796 ; 49.53,50.8 49.911,50.419 ; 50.004,50.111 50.004,50.326 49.911,50.419 ; v2(50.673,53.467) v2(50.673,51.943) v2(50.673,50.419) ; F2.2@52.136,48.594 50.875,48.594 50.673,48.796 ; 49.911,50.419 v2(50.673,50.419) ; 50.673,48.796 v2(50.673,50.419)
VUSB_A: C9.2 F2.1 F3.2 IC3.4 IC3.5 | length 14.1
  Bottom Layer w1.5: IC3.5@54.356,50.673 54.483,50.651 60.811,50.651
  Bottom Layer w1.7: 54.577,50.295 54.483,50.201 54.483,48.641 ; C9.2 54.483,48.641 ; F3.2 55.306,45.593 54.483,46.416 54.483,48.641
pads on no net: J1.4 J1.5@44.069,49.276 J1.5@44.069,56.388 J1.5@47.625,49.276 J1.5@47.625,56.388 J1.6 J2.MH1 J2.MH2 J2.MP1 J2.MP2 K1.0 L1.0 S1.0

## Polygon pours and split planes (outlines as drawn)
GND on Bottom Layer "Bottom Layer-GND" (solid, pour order 40): 65.659,87.884 65.659,70.993 56.388,61.722 42.672,61.722 42.672,41.275 96.266,41.275 96.266,46.807 96.139,46.934 96.139,87.884
no net on Bottom Layer "Bottom Layer-No Net 1" (solid, pour order 38): 65.913,87.901
GND on Bottom Layer "Bottom Layer-GND 1" (solid, pour order 20): 69.432,88.011
GND on Bottom Layer "Bottom Layer-GND 2" (solid, pour order 16): 67.945,87.901
no net on Bottom Layer "Bottom Layer-No Net" (solid, pour order 6): 51.816,41.021
GND on Top Layer "Top Layer-GND" (solid, pour order 42): 65.659,87.901 65.659,70.993 56.388,61.722 42.672,61.722 42.672,41.275 95.885,41.275 96.139,41.529 96.139,87.63 95.758,88.011
GND on Top Layer "Top Layer-GND 2" (solid, pour order 30): 66.421,87.901
GND on Top Layer "Top Layer-GND 1" (solid, pour order 12): 67.945,87.757

## Keep-outs
Keep-Out Layer:
  lines w0.254: 42.672,46.901 ccw(c58.547,47.776) 59.422,31.901 79.422,31.901 ccw(c80.297,47.776) 96.172,46.901 96.172,85.401 ccw(c93.672,85.401) 93.672,87.901 45.172,87.901 ccw(c45.172,85.401) 42.672,85.401 42.672,46.901 ; 44.958,66.421 cw(c44.958,67.691) 44.958,68.961 59.944,68.961 cw(c59.944,67.691) 59.944,66.421 44.958,66.421 ; 44.958,74.168 cw(c44.958,75.438) 44.958,76.708 59.944,76.708 cw(c59.944,75.438) 59.944,74.168 44.958,74.168

## Silkscreen, mask and mechanical layers (free items; w line width, h text height)
Top Overlay:
  circle w0.254: c69.469,38.354 r2.5
  circle w0.254: c92.422,82.901 r2.5
  circle w0.254: c46.422,82.901 r2.5
  rectangle: 81.139,32.41 83.298,34.315
  rectangle: 70.725,32.41 72.884,34.315
  rectangle: 75.932,32.41 78.091,34.315
  rectangle: 57.379,32.131 68,34.544
  lines w0.254: 54.342,34.417 59.041,34.417 ; 56.501,32.258 61.2,32.258 ; 68.199,34.442 73.011,34.442 73.011,32.664 73.011,32.283 68.199,32.283 68.199,34.397 70.598,34.397 70.598,32.283 ; 73.406,34.442 78.218,34.442 78.218,32.664 78.218,32.283 73.406,32.283 73.406,34.397 75.805,34.397 75.805,32.283 ; 78.613,34.442 83.425,34.442 83.425,32.664 83.425,32.283 78.613,32.283 78.613,34.397 81.012,34.397 81.012,32.283
  text "Nilinet-ATS-v0.2" at 47.371,36.703 h1.52
  text "WWW.NILINET.COM" at 52.451,35.687 h1.24
  text "Made in Iran" at 53.467,34.798 h1.24
  text "T1" at 68.705,32.893 h1.02
  text "T2" at 73.912,32.893 h1.02
  text "T3" at 79.119,32.893 h1.02
  text "S.N" at 54.737,32.766 h1.2
Mechanical 1:
  lines w0.254: 44.916,74.168 cw(c44.91,75.438) 44.916,76.708 59.902,76.708 cw(c59.908,75.438) 59.902,74.168 44.916,74.168 ; 44.945,66.432 cw(c44.939,67.702) 44.945,68.972 59.931,68.972 cw(c59.937,67.702) 59.931,66.432 44.945,66.432

## Text inside footprints (layer, text, board x,y; h text height)
IC1: Mechanical 13 "ANTENNA AREA" at 88.391,35.291 h0.25 r180; Mechanical 13 "CUTOUT POLYGON" at 88.391,35.799 h0.25 r180